# Altium PCB connection_board.PcbDoc
Units mm, origin at the board's own origin, x right, y up, seen from the top; angles counter-clockwise.
Board outline 120 x 110 mm, 2 copper layers (Top Layer, Bottom Layer); 25 components, 82 nets, 232 pads, 10 vias.
Unrouted connection lines stored in the file: 1.
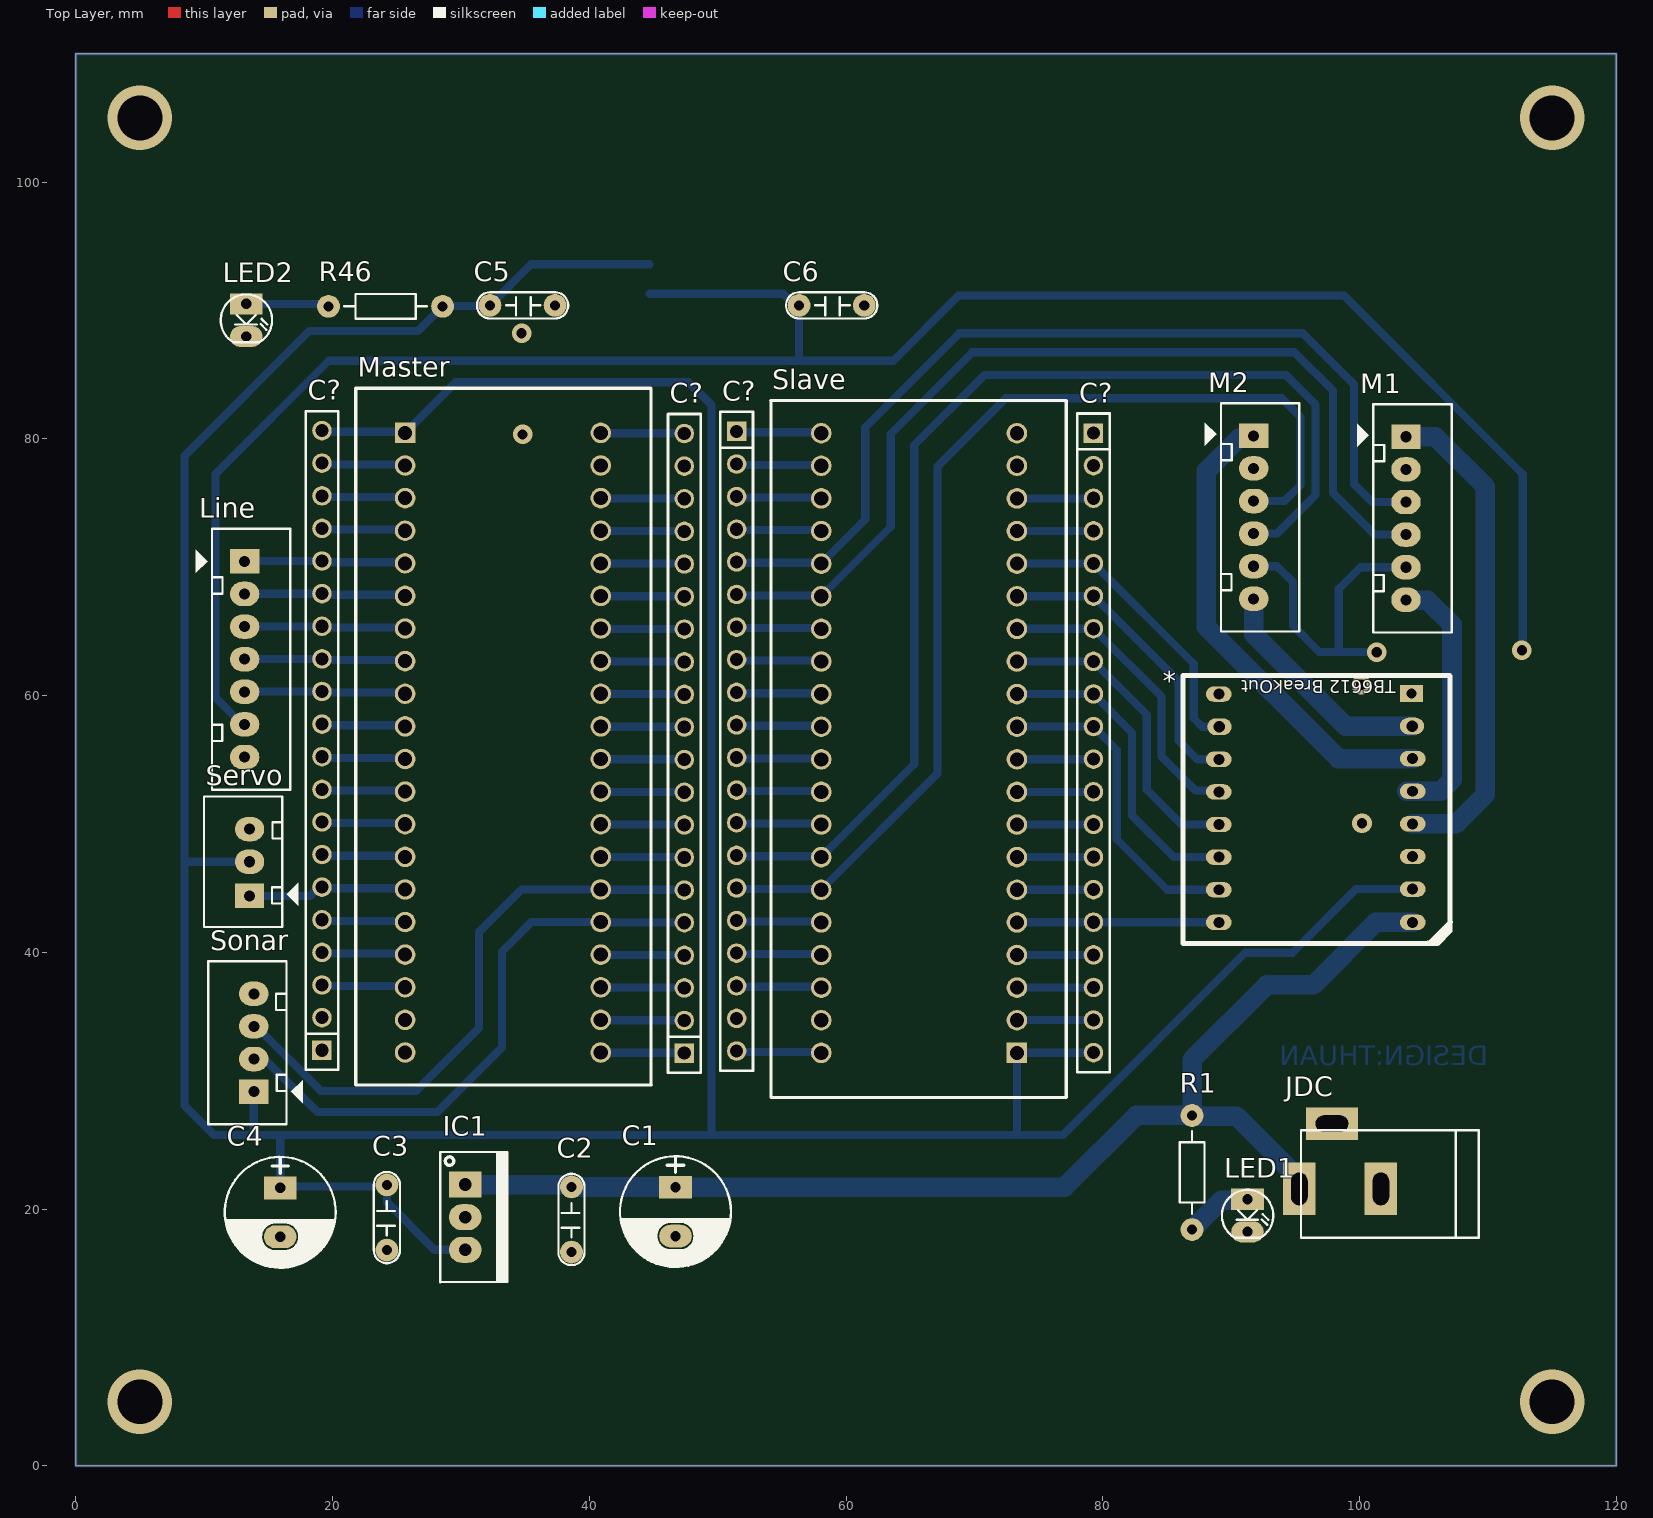
[diagram p0: Top Layer view]
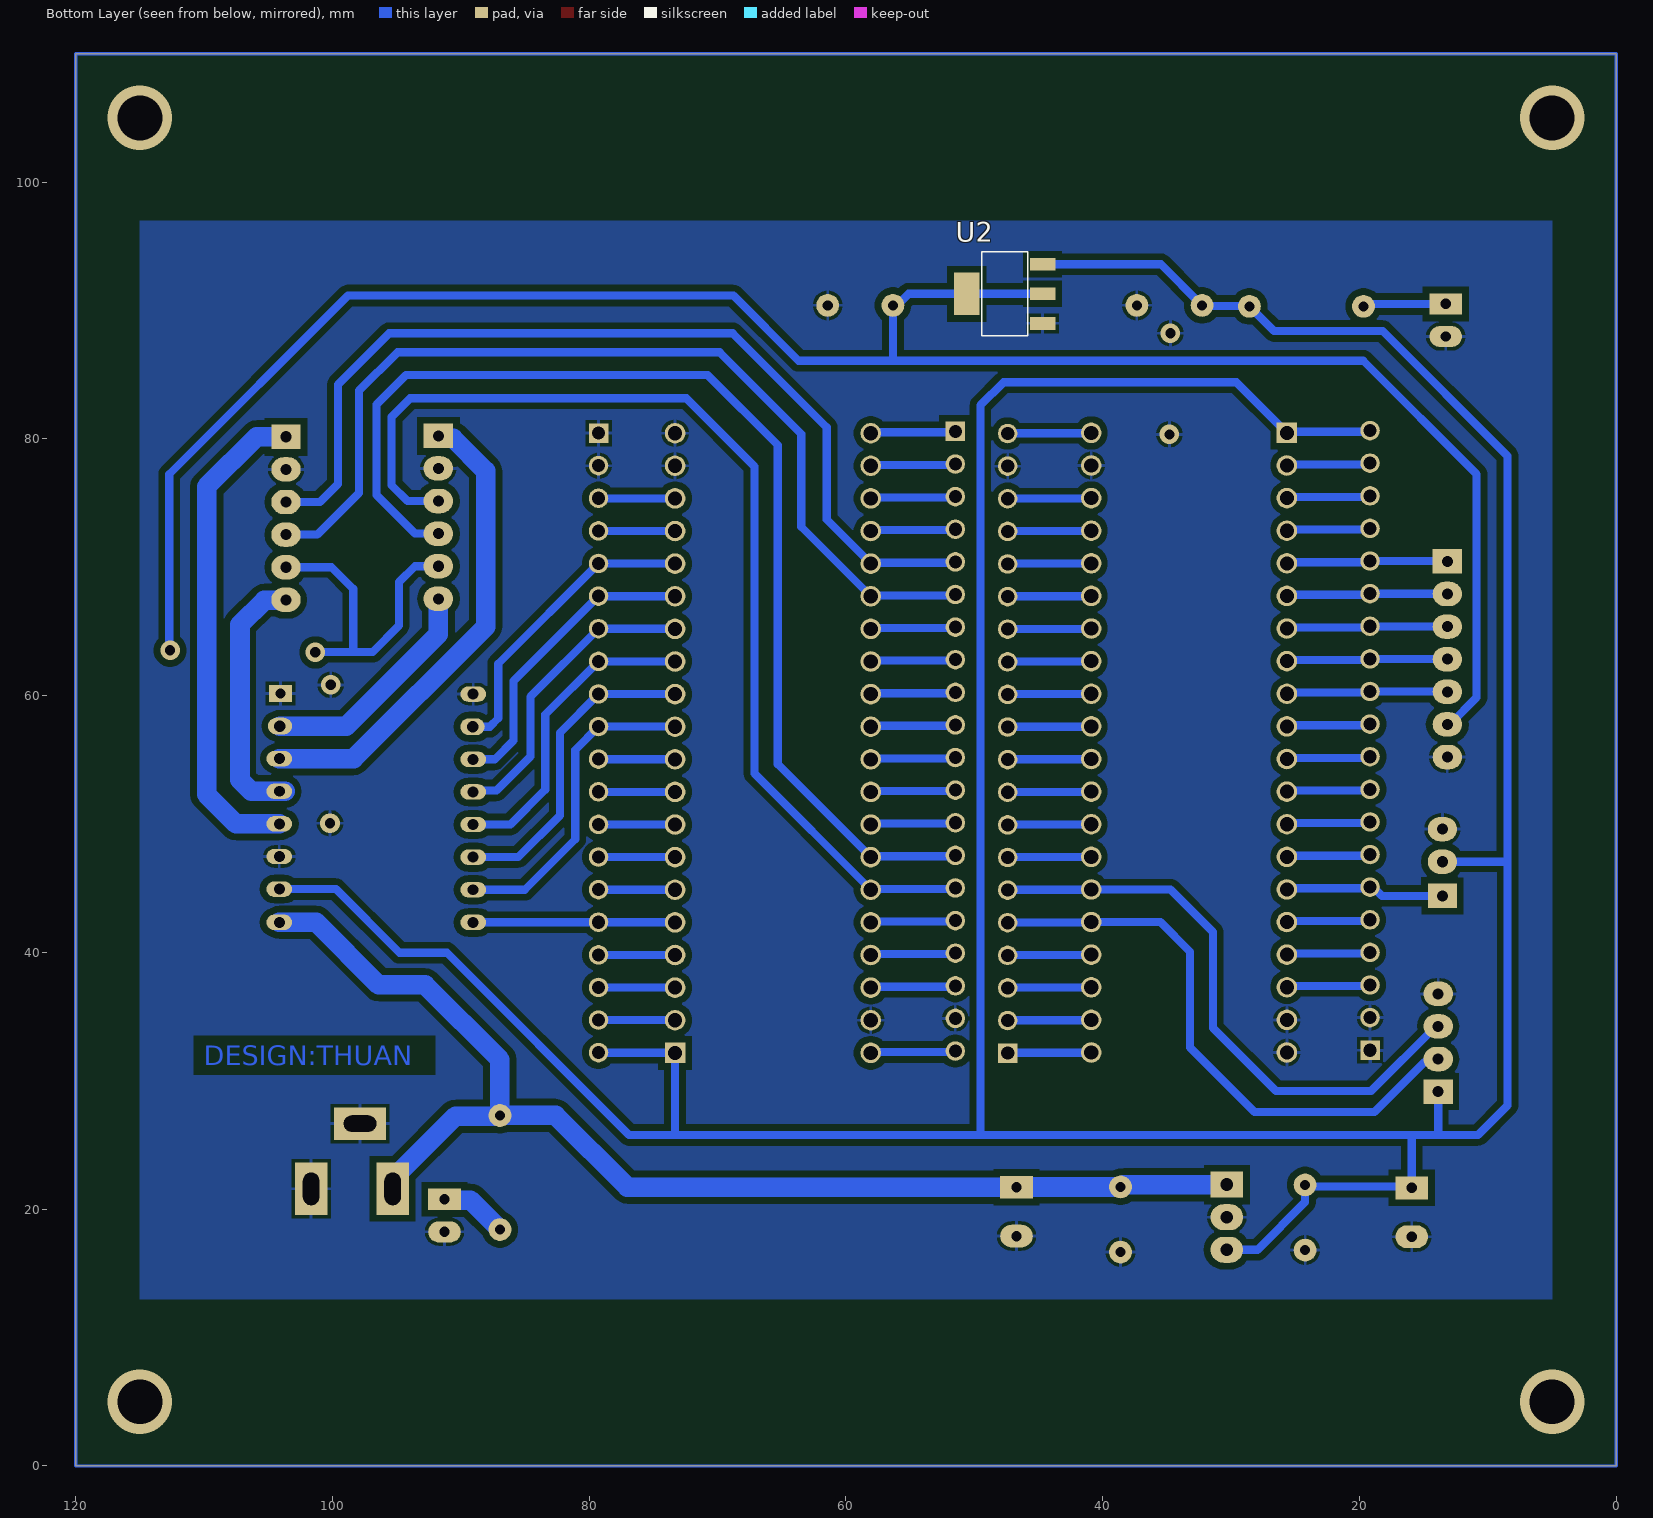
[diagram p1: Bottom Layer view, seen from below]
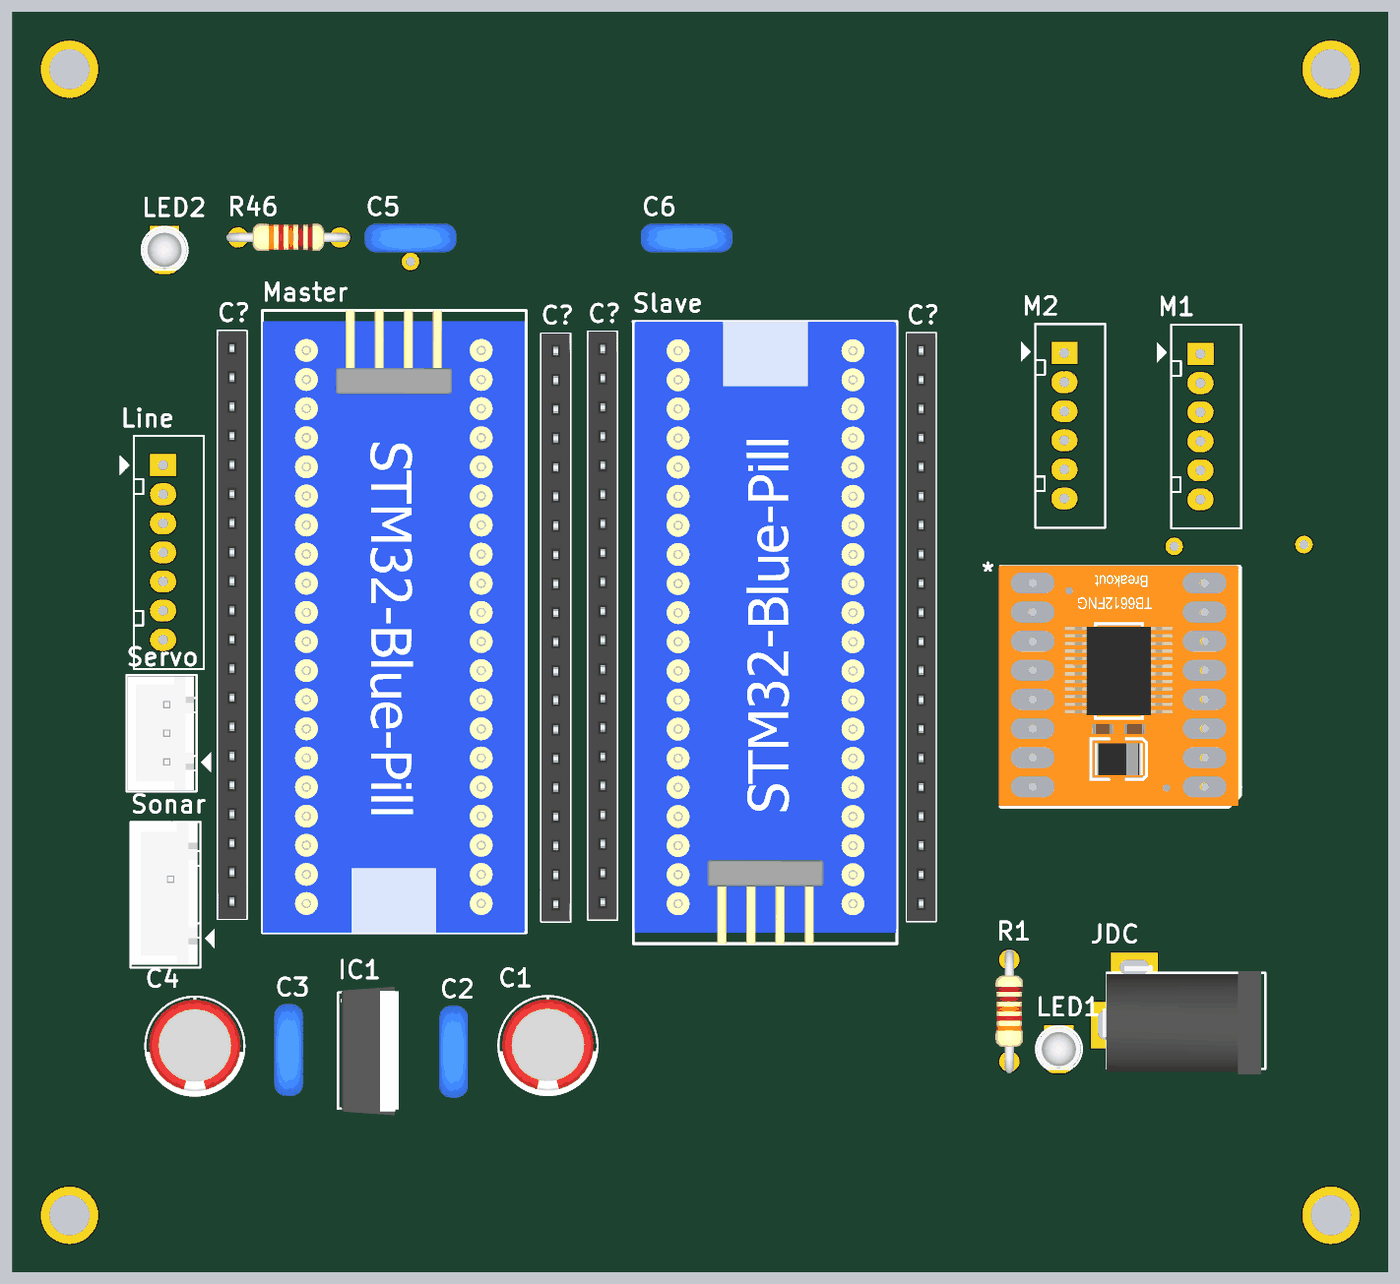
[diagram p2: 3D render of the assembled board from above, using the file's embedded part models]

## Layer stack, top to bottom
Top Solder: solder mask 0.0102, Solder Resist, Dk 3.5
Top Layer: signal copper 0.0356
Dielectric 1: dielectric 0.32, FR-4, Dk 4.8
Bottom Layer: signal copper 0.0356
Bottom Solder: solder mask 0.0102, Solder Resist, Dk 3.5

## Board outline
0,0 120,0 120,110 0,110

## Design rules (kind name [scope] priority, off if disabled: settings)
Clearance [All] p1: gap=0.508 ignorepadtopadclearanceinfootprint=FALSE
PolygonConnect [All] p1: connectstyle=Relief reliefconductorwidth=0.254 reliefentries=4 polygonreliefangle="90 Angle" airgapwidth=0.254
RoutingVias [All] p1: holewidth=0.711 width=1.27 viastyle="Through Hole" minholewidth=0.711 minwidth=1.27 maxholewidth=0.711 maxwidth=1.27
SolderMaskExpansion [All] p1: expansion=0.102 istentingtop=FALSE
Width [All] p1: maxlimit=1.524 minlimit=0.254 preferedwidth=0.635 toplayer_maxwidth=0.254 toplayer_prefwidth=0.254 bottomlayer_minwidth=0.635 minimp=50.000000 maximp=50.000000 favimp=50.000000
30 further rules are at their usual default settings.

## Classes and differential pairs
component class connection_board: * C1 C2 C3 C4 C5 C6 C? IC1 JDC LED1 LED2 Line M1 M2 Master R1 R46 Servo Slave Sonar U2

## Components (designator, comment, footprint, x,y, rotation, side; value= is the part's Value field where it differs from the comment)
* "TB6612" TB6612 105.235,42.438 r180 top
C1 "1000uF/16V" CP1.5/3.4 46.719,21.713 r270 top value=100uF/35V/50V
C2 "104" CN2 38.616,16.659 r90 top value=0.1uF
C3 "104" CN2 24.24,16.811 r90 top value=0.1uF
C4 "1000uF/16V" CP1.5/3.4 15.934,21.662 r270 top value=100uF/35V/50V
C5 "104" CN2 37.346,90.395 r180 top value=0.1uF
C6 "104" CN2 61.426,90.395 r180 top value=0.1uF
C? "JP20" JP20-C1T 47.405,32.153 r90 top
C? "JP20" JP20-C1T 79.274,80.45 r270 top
C? "JP20" JP20-C1T 51.487,80.577 r270 top
C? "JP20" JP20-C1T 19.185,32.381 r90 top
IC1 "LM7805" QTO-220 30.336,21.916 r270 top
JDC "Jac DC" DC-IN 98.484,24.126 r180 top
LED1 "LED" LED-3 91.271,20.773 r270 top value="LED 3 ly Single Colour"
LED2 "LED" LED-3 13.292,90.509 r270 top value="LED 3 ly Single Colour"
Line "JP7" CON7 13.166,70.456 r270 top value="Connector 7"
M1 "JP6" CON6 103.615,80.159 r270 top value="Connector 6"
M2 "JP6" CON6 91.753,80.235 r270 top value="Connector 6"
Master "Bluepill" "Blue Pill" 40.902,80.463 r180 top
R1 "10k" R1/4W 86.953,18.411 r90 top value="R1/4W - 1K"
R46 "Res1" R1/4W 19.693,90.319 r0 top value=220R
Servo "JP3" CON3 13.547,44.522 r90 top value="Connector 3"
Slave "Bluepill" "Blue Pill" 58.073,32.178 r0 top
Sonar "JP4" CON4 13.877,29.155 r90 top value="Connector 4"
U2 "AMS1117_3V3" SOT223-4M 47.887,91.293 r90 bottom

## Footprints (in the part's own frame and the unit in brackets; to place one, negate y for a bottom-side part, rotate by r counter-clockwise, add the part's x,y. Pads: shape width x height; smd on the part's side, far side on the other; paste and mask are expansions set on the pad)
"Blue Pill" [mm]
  round 1.6 hole 1.1: 1(0,48.26) 2(0,45.72) 3(0,43.18) 4(0,40.64) 5(0,38.1) 6(0,35.56) 7(0,33.02) 8(0,30.48) 9(0,27.94) 10(0,25.4) 11(0,22.86) 12(0,20.32) 13(0,17.78) 14(0,15.24) 15(0,12.7) 16(0,10.16) 17(0,7.62) 18(0,5.08) 19(0,2.54) 20(0,0) 22(15.24,2.54) 23(15.24,5.08) 24(15.24,7.62) 25(15.24,10.16) 26(15.24,12.7) 27(15.24,15.24) 28(15.24,17.78) 29(15.24,20.32) 30(15.24,22.86) 31(15.24,25.4) 32(15.24,27.94) 33(15.24,30.48) 34(15.24,33.02) 35(15.24,35.56) 36(15.24,38.1) 37(15.24,40.64) 38(15.24,43.18) 39(15.24,45.72) 40(15.24,48.26)
  rect 1.6x1.6 hole 1.1: 21(15.24,0)
  silkscreen extent -3.94,-3.48 19.08,50.8, body extent -3.81,-3.48 19.05,50.8, height 3.56
CN2 [mil]
  round 70 hole 31: 1(0,0) 2(200,0)
  silkscreen extent -40,-40 240,40, body extent -54,-44 260,55, height 407
CON3 [mil] "CON 3"
  rect 75x90 hole 34: 1(-5,0)
  oval 75x90 hole 34: 2(100,0) 3(200,0)
  silkscreen extent -100,-150 300,140, body extent -95,-90 295,136, height 276
CON4 [mil] "CON4"
  rect 75x90 hole 34: 1(0,0)
  oval 75x90 hole 34: 2(100,0) 3(200,0) 4(300,0)
  silkscreen extent -100,-150 400,140, body extent -90,-90 398,136, height 276
CON6 [mil] "CON6"
  rect 75x90 hole 34: 1(0,0)
  oval 75x90 hole 34: 2(100,0) 3(200,0) 4(300,0) 5(400,0) 6(500,0)
  silkscreen extent -100,-150 600,140
CON7 [mil] "CON7"
  rect 75x90 hole 34: 1(0,0)
  oval 75x90 hole 34: 2(100,0) 3(200,0) 4(300,0) 5(400,0) 6(500,0) 7(600,0)
  silkscreen extent -100,-150 700,140
CP1.5/3.4 [mil] "Tu hoa 220->470uF,16V, 470uF/16V,25V"
  rect 70x100 hole 32: 1(0,0)
  oval 70x100 hole 32: 2(150,0)
  silkscreen extent -95,-170 245,170, body extent -85,-157 230,157, height 446
DC-IN [mil] "Jac DC input"
  rect 100x160 hole 50 slot 100 at 90 deg: 1(125,100) 2(-125,100)
  rect 160x100 hole 50 slot 100 at 0 deg: 3(25,-100)
  silkscreen extent -425,-80 120,250, body extent -410,-105 134,269, height 434
JP20-C1T [mm] "20 row, straight, gold plating"
  rect 1.52x1.52 hole 1.02: 1(0,0)
  round 1.52 hole 1.02: 2(2.54,0) 3(5.08,0) 4(7.62,0) 5(10.16,0) 6(12.7,0) 7(15.24,0) 8(17.78,0) 9(20.32,0) 10(22.86,0) 11(25.4,0) 12(27.94,0) 13(30.48,0) 14(33.02,0) 15(35.56,0) 16(38.1,0) 17(40.64,0) 18(43.18,0) 19(45.72,0) 20(48.26,0)
  silkscreen extent -1.52,-1.27 49.78,1.27, body extent -1.52,-1.25 49.78,1.25, height 8.51
LED-3 [mil] "LED 2 PIN, 3ly Only colour"
  rect 65x100 hole 32: 1(0,0)
  oval 65x100 hole 32: 2(100,0)
  silkscreen extent -29,-78 118,79, body extent -25,-75 113,75, height 217
QTO-220 [mil] "TO-220 - 1-2-3"
  rect 80x100 hole 39: 1(0,0)
  oval 80x100 hole 39: 2(100,0) 3(200,0)
  silkscreen extent -100,-76 300,130, body extent -119,-64 322,121, height 755
R1/4W [mil] "R 1/4W, 2 Pin, 350mil"
  round 70 hole 31: 1(0,0) 2(350,0)
  silkscreen extent 48,-38 302,38, body extent -40,-47 386,47, height 111
SOT223-4M [mm] "SOT223, 4-Leads, Body 6.5x3.5mm, Pitch 2.3mm, Lead Span 7mm, IPC Low Density"
  rect 1x2 smd: 1(-2.3,-3.2) 2(0,-3.2) 3(2.3,-3.2)
  rect 3.3x2 smd: 4(0,2.7)
  silkscreen extent -3.25,-2.05 3.26,1.55, body extent -3.25,-3.74 3.25,3.22, height 1.67
TB6612 [mm]
  oval 2x1.2 hole 0.85: 1(1.1,0.1) 2(1.1,-2.491) 3(1.1,-5.031) 4(1.1,-7.571) 5(1.1,-10.111) 6(1.1,-12.651) 9(16.2,-17.68) 11(16.2,-12.6) 12(16.2,-10.06) 13(16.2,-7.52) 14(16.2,-4.98) 15(16.2,-2.44) 16(16.2,0.1)
  oval 1.9x1.3 hole 0.9: 7(1.15,-15.191) 10(16.15,-15.14)
  rect 1.8x1.3 hole 0.8: 8(1.2,-17.731)
  silkscreen extent -1.83,-19.14 19,1.75, body extent -1.7,-19.28 19.2,1.7, height 3.54

## Part data
C1 C4: library part CP3, "Cap 100uF/35V - 470uF/16V", Description 1="1000uF/6,3V - 470uF/16V - 330uF - 25V", Description 2="220uF/35V - 100uF/50V - 63V - 4,7uF/200V", Description 3="22uF => 33uF100V - 3,3uF => 4,7uF/250V", Description 4="2,2uF =>3,3uF/350 - 2,2uF/400V - 1uF/450V"
C2 C3 C5 C6: library part CN2, "Cap np 104 => 105pF"
C? C? C? C?: "WR-PHD 2.54 mm Angled Socket Header", Manufacturer="W¨¹rth Elektronik eiSos GmbH", partNo=613020143121, ComponentLink1 Description=Manufacturer, ComponentLink1URL=http://www.we-online.com, ComponentLink2 Description=Datasheet, ComponentLink2URL=http://katalog.we-online.de/em/datasheet/6130xx143121.pdf, Created by="Karrer Zheng", Created Date="29 March 2013", NoPins=20
IC1: library part LM78xx, "On ap +, from + 5 to + 24VDC"
JDC: library part DCIN, "Jac DC input"
LED1 LED2: "LED Single colour Green and Red"
Line: library part Con7, "Connector 7"
M1 M2: library part Con6, "Connector 6"
Master Slave: library part STM32F103C8T6, "STM32F103C8T6"
R1: library part R1/4W, "Resistor 1/4W"
R46: library part Res1_4, "Resistor", Manufacturer="Generic Components", Class=Passive, Published=08/06/2000, Publisher="Altium Hobart Technology Centre", SubClass=Resistor
Servo: library part Con3, "Connector 3"
Sonar: library part Con4, "Connector 4"
U2: "1A Regulator"
*: WEB=TECHMT.VN

## Via types
v1: diameter 1.524, hole 0.8, Top Layer to Bottom Layer, 6 vias
v2: diameter 5, hole 3.5, Top Layer to Bottom Layer, 4 vias

## Nets (pads, with @x,y where several pads share a name; then routed paths per layer and width w, separated by ;. In a path a pad name is that pad's centre, name@x,y a point inside that pad or via, vN(x,y) a via of type N, cw(c..) or ccw(c..) an arc to the next point about the centre after c; other vN are vias at no path point)
3V3_input: C6.2 Line.6 M1.5 M2.5 U2.2 U2.4 | length 188.9
  Bottom Layer w0.635: Line.6 12.975,57.756 10.883,59.847 10.883,77.244 19.716,86.077 63.686,86.077 68.773,91.163 98.782,91.163 112.705,77.24 112.705,63.586 v1(112.642,63.523) ; U2.2 U2.4 55.138,91.293 56.036,90.395 C6.2 56.346,86.382 ; M2.5 93.567,70.075 94.805,68.837 94.805,65.452 96.862,63.395 98.332,63.395 ; v1(101.329,63.369) 101.304,63.395 98.332,63.395 ; M1.5 100.059,69.999 98.383,68.322 98.383,63.445 98.332,63.395
5V_input: *.2 C3.2 C4.1 C5.2 C?.20@19.185,80.641 C?.20@79.274,32.19 IC1.3 Master.21 R46.2 Servo.2 Slave.21 Sonar.1 U2.3 | length 329.5
  Bottom Layer w0.635: Servo.2 8.492,47.062 8.467,47.037 ; Sonar.1 13.877,25.828 13.826,25.777 ; 15.934,25.726 C4.1 16.049,21.777 24.126,21.777 C3.2 24.24,20.545 27.948,16.836 IC1.3 ; C?.20@19.185,80.641 19.274,80.552 25.574,80.552 Master.21 29.599,84.4 47.735,84.4 49.517,82.619 49.517,25.777 ; U2.3 35.465,93.593 C5.2 32.228,90.357 28.622,90.357 R46.2 26.653,88.388 18.195,88.388 8.467,78.66 8.467,47.037 ; C?.20@79.274,32.19 79.268,32.184 73.319,32.184 Slave.21 73.313,25.828 73.262,25.777 ; *.2 99.729,44.929 94.769,39.969 91.086,39.969 76.894,25.777 73.262,25.777 ; 8.467,47.037 8.467,28.089 10.778,25.777 13.826,25.777 ; 13.826,25.777 49.517,25.777 ; 49.517,25.777 73.262,25.777
+12V: *.1 C1.1 C2.2 IC1.1 JDC.1 R1.2 | length 96.1
  Bottom Layer w1.524: IC1.1 38.37,21.916 38.548,21.739 C2.2 38.629,21.726 46.706,21.726 C1.1 77.021,21.713 82.609,27.301 R1.2 ; JDC.1 95.309,22.348 90.405,27.253 87.001,27.253 R1.2 ; *.1 101.253,42.338 96.394,37.479 92.787,37.479 86.953,31.645 R1.2
GND: *.3 *.8 *.9 C1.2 C2.1 C3.1 C4.2 C5.1 C6.1 C?.1@19.185,32.381 C?.1@79.274,80.45 C?.2@19.185,34.921 C?.2@79.274,77.91 C?.19@47.405,77.873 C?.19@51.487,34.857 IC1.2 JDC.2 JDC.3 LED1.2 LED2.2 Line.7 M1.2 M2.2 Master.19 Master.39 Master.40 Servo.3 Slave.19 Slave.39 Slave.40 Sonar.4 U2.1
  other v1: 100.19,50.066 100.139,60.836 34.81,80.343 34.734,88.217
M1+: *.4 M1.1 | length 38.4
  Bottom Layer w1.524: M1.1 105.901,80.159 109.791,76.269 109.791,52.301 107.498,50.009 *.4
M1-: *.5 M1.6 | length 20.3
  Bottom Layer w1.524: M1.6 103.651,67.423 105.302,67.423 107.196,65.528 107.196,53.442 106.304,52.549 *.5 *.5@103.695,52.549
M2+: *.6 M2.1 | length 37.3
  Bottom Layer w1.524: M2.1 91.563,80.044 90.603,80.044 88.07,77.512 88.07,65.361 98.342,55.089 *.6
M2-: *.7 M2.6 | length 18
  Bottom Layer w1.524: M2.6 91.753,64.792 98.916,57.629 *.7
NetLED1_1: LED1.1 R1.1 | length 5.3
  Bottom Layer w1.524: R1.1 89.251,20.71 91.207,20.71 LED1.1
NetLED2_1: LED2.1 R46.1 | length 7.2
  Bottom Layer w0.635: LED2.1@12.572,90.509 19.503,90.509 R46.1
U1_3V3_1: C?.20@47.405,80.413 Master.20 | length 6.5
  Bottom Layer w0.635: Master.20 40.928,80.438 47.379,80.438 C?.20@47.405,80.413
U1_3V3_2: C?.3@19.185,37.461 Master.38 | length 6.6
  Bottom Layer w0.635: C?.3@19.185,37.461 19.274,37.372 25.574,37.372 Master.38
U1_5V: C?.18@47.405,75.333 Master.18 | length 6.5
  Bottom Layer w0.635: Master.18 40.928,75.358 47.379,75.358 C?.18@47.405,75.333
U1_NRST: C?.4@19.185,40.001 Master.37 | length 6.6
  Bottom Layer w0.635: C?.4@19.185,40.001 19.274,39.912 25.574,39.912 Master.37
U1_PA0: C?.16@19.185,70.481 Line.1 Master.25 | length 12.6
  Bottom Layer w0.635: Line.1 13.191,70.481 19.185,70.481 19.274,70.392 25.574,70.392 Master.25
U1_PA1: C?.15@19.185,67.941 Line.2 Master.26 | length 12.6
  Bottom Layer w0.635: Line.2 13.178,67.928 19.173,67.928 19.185,67.941 19.274,67.852 25.574,67.852 Master.26
U1_PA2: C?.14@19.185,65.401 Line.3 Master.27 | length 12.6
  Bottom Layer w0.635: Line.3 13.178,65.388 19.173,65.388 19.185,65.401 19.274,65.312 25.574,65.312 Master.27
U1_PA3: C?.13@19.185,62.861 Line.4 Master.28 | length 12.6
  Bottom Layer w0.635: Line.4 13.178,62.848 19.173,62.848 19.185,62.861 19.274,62.772 25.574,62.772 Master.28
U1_PA4: C?.12@19.185,60.321 Line.5 Master.29 | length 12.6
  Bottom Layer w0.635: Line.5 13.178,60.308 19.173,60.308 19.185,60.321 19.274,60.232 25.574,60.232 Master.29
U1_PA5: C?.11@19.185,57.781 Master.30 | length 6.6
  Bottom Layer w0.635: C?.11@19.185,57.781 19.274,57.692 25.574,57.692 Master.30
U1_PA6: C?.10@19.185,55.241 Master.31 | length 6.6
  Bottom Layer w0.635: C?.10@19.185,55.241 19.274,55.152 25.574,55.152 Master.31
U1_PA7: C?.9@19.185,52.701 Master.32 | length 6.6
  Bottom Layer w0.635: C?.9@19.185,52.701 19.274,52.612 25.574,52.612 Master.32
U1_PA8: C?.5@47.405,42.313 Master.5 Sonar.2 | length 45.8
  Bottom Layer w0.635: Sonar.2 14.12,31.452 14.943,31.452 18.832,27.563 28.185,27.563 33.206,32.584 33.206,40.052 35.518,42.363 Master.5 40.928,42.338 47.379,42.338 C?.5@47.405,42.313
U1_PA9: C?.6@47.405,44.853 Master.6 Sonar.3 | length 46.5
  Bottom Layer w0.635: Sonar.3 14.067,34.235 19.097,29.206 26.501,29.206 31.403,34.108 31.403,41.576 34.73,44.903 Master.6 40.928,44.878 47.379,44.878 C?.6@47.405,44.853
U1_PA10: C?.7@47.405,47.393 Master.7 | length 6.5
  Bottom Layer w0.635: Master.7 40.928,47.418 47.379,47.418 C?.7@47.405,47.393
U1_PA11: C?.8@47.405,49.933 Master.8 | length 6.5
  Bottom Layer w0.635: Master.8 40.928,49.958 47.379,49.958 C?.8@47.405,49.933
U1_PA12: C?.9@47.405,52.473 Master.9 | length 6.5
  Bottom Layer w0.635: Master.9 40.928,52.498 47.379,52.498 C?.9@47.405,52.473
U1_PA15: C?.10@47.405,55.013 Master.10 | length 6.5
  Bottom Layer w0.635: Master.10 40.928,55.038 47.379,55.038 C?.10@47.405,55.013
U1_PB0: C?.8@19.185,50.161 Master.33 | length 6.6
  Bottom Layer w0.635: C?.8@19.185,50.161 19.274,50.072 25.574,50.072 Master.33
U1_PB1: C?.7@19.185,47.621 Master.34 | length 6.6
  Bottom Layer w0.635: C?.7@19.185,47.621 19.274,47.532 25.574,47.532 Master.34
U1_PB3: C?.11@47.405,57.553 Master.11 | length 6.5
  Bottom Layer w0.635: Master.11 40.928,57.578 47.379,57.578 C?.11@47.405,57.553
U1_PB4: C?.12@47.405,60.093 Master.12 | length 6.5
  Bottom Layer w0.635: Master.12 40.928,60.118 47.379,60.118 C?.12@47.405,60.093
U1_PB5: C?.13@47.405,62.633 Master.13 | length 6.5
  Bottom Layer w0.635: Master.13 40.928,62.658 47.379,62.658 C?.13@47.405,62.633
U1_PB6: C?.14@47.405,65.173 Master.14 | length 6.5
  Bottom Layer w0.635: Master.14 40.928,65.198 47.379,65.198 C?.14@47.405,65.173
U1_PB7: C?.15@47.405,67.713 Master.15 | length 6.5
  Bottom Layer w0.635: Master.15 40.928,67.738 47.379,67.738 C?.15@47.405,67.713
U1_PB8: C?.16@47.405,70.253 Master.16 | length 6.5
  Bottom Layer w0.635: Master.16 40.928,70.278 47.379,70.278 C?.16@47.405,70.253
U1_PB9: C?.17@47.405,72.793 Master.17 | length 6.5
  Bottom Layer w0.635: Master.17 40.928,72.818 47.379,72.818 C?.17@47.405,72.793
U1_PB10: C?.6@19.185,45.081 Master.35 Servo.1 | length 12.5
  Bottom Layer w0.635: Servo.1 18.26,44.395 18.946,45.081 19.185,45.081 19.274,44.992 25.574,44.992 Master.35
U1_PB11: C?.5@19.185,42.541 Master.36 | length 6.6
  Bottom Layer w0.635: C?.5@19.185,42.541 19.274,42.452 25.574,42.452 Master.36
U1_PB12: C?.1@47.405,32.153 Master.1 | length 6.5
  Bottom Layer w0.635: Master.1 40.928,32.178 47.379,32.178 C?.1@47.405,32.153
U1_PB13: C?.2@47.405,34.693 Master.2 | length 6.5
  Bottom Layer w0.635: Master.2 40.928,34.718 47.379,34.718 C?.2@47.405,34.693
U1_PB14: C?.3@47.405,37.233 Master.3 | length 6.5
  Bottom Layer w0.635: Master.3 40.928,37.258 47.379,37.258 C?.3@47.405,37.233
U1_PB15: C?.4@47.405,39.773 Master.4 | length 6.5
  Bottom Layer w0.635: Master.4 40.928,39.798 47.379,39.798 C?.4@47.405,39.773
U1_PC13: C?.19@19.185,78.101 Master.22 | length 6.6
  Bottom Layer w0.635: C?.19@19.185,78.101 19.274,78.012 25.574,78.012 Master.22
U1_PC14: C?.18@19.185,75.561 Master.23 | length 6.6
  Bottom Layer w0.635: C?.18@19.185,75.561 19.274,75.472 25.574,75.472 Master.23
U1_PC15: C?.17@19.185,73.021 Master.24 | length 6.6
  Bottom Layer w0.635: C?.17@19.185,73.021 19.274,72.932 25.574,72.932 Master.24
U2_3V3_1: C?.20@51.487,32.317 Slave.20 | length 6.6
  Bottom Layer w0.635: C?.20@51.487,32.317 51.556,32.248 58.003,32.248 Slave.20
U2_3V3_2: C?.3@79.274,75.37 Slave.38 | length 6
  Bottom Layer w0.635: Slave.38 73.319,75.364 79.268,75.364 C?.3@79.274,75.37
U2_5V: C?.18@51.487,37.397 Slave.18 | length 6.6
  Bottom Layer w0.635: C?.18@51.487,37.397 51.556,37.328 58.003,37.328 Slave.18
U2_NRST: C?.4@79.274,72.83 Slave.37 | length 6
  Bottom Layer w0.635: Slave.37 73.319,72.824 79.268,72.824 C?.4@79.274,72.83
U2_PA0: *.16 C?.16@79.274,42.35 Slave.25 | length 15.7
  Bottom Layer w0.635: Slave.25 73.319,42.344 79.268,42.344 79.274,42.35 79.28,42.344 89.029,42.344 *.16
U2_PA1: C?.15@79.274,44.89 Slave.26 | length 6
  Bottom Layer w0.635: Slave.26 73.319,44.884 79.268,44.884 C?.15@79.274,44.89
U2_PA2: C?.14@79.274,47.43 Slave.27 | length 6
  Bottom Layer w0.635: Slave.27 73.319,47.424 79.268,47.424 C?.14@79.274,47.43
U2_PA3: C?.13@79.274,49.97 Slave.28 | length 6
  Bottom Layer w0.635: Slave.28 73.319,49.964 79.268,49.964 C?.13@79.274,49.97
U2_PA4: C?.12@79.274,52.51 Slave.29 | length 6
  Bottom Layer w0.635: Slave.29 73.319,52.504 79.268,52.504 C?.12@79.274,52.51
U2_PA5: C?.11@79.274,55.05 Slave.30 | length 6
  Bottom Layer w0.635: Slave.30 73.319,55.044 79.268,55.044 C?.11@79.274,55.05
U2_PA6: *.15 C?.10@79.274,57.59 Slave.31 | length 25.1
  Bottom Layer w0.635: Slave.31 73.319,57.584 79.268,57.584 79.274,57.59 81.089,55.776 81.089,48.811 85.022,44.878 *.15
U2_PA7: *.14 C?.9@79.274,60.13 Slave.32 | length 24.8
  Bottom Layer w0.635: Slave.32 73.319,60.124 79.268,60.124 79.274,60.13 79.274,60.113 82.283,57.104 82.283,50.665 85.53,47.418 *.14
U2_PA8: C?.5@51.487,70.417 M1.3 Slave.5 | length 73.8
  Bottom Layer w0.635: C?.5@51.487,70.417 51.556,70.348 58.003,70.348 Slave.5 61.502,73.707 61.502,80.895 68.824,88.217 95.592,88.217 99.576,84.233 99.576,76.476 100.973,75.079 M1.3
U2_PA9: C?.6@51.487,67.877 M1.4 Slave.6 | length 74.8
  Bottom Layer w0.635: C?.6@51.487,67.877 51.556,67.808 58.003,67.808 Slave.6 63.483,73.148 63.483,80.387 69.833,86.737 94.939,86.737 97.925,83.75 97.925,75.79 99.417,74.298 101.177,72.539 M1.4
U2_PA10: C?.7@51.487,65.337 Slave.7 | length 6.6
  Bottom Layer w0.635: C?.7@51.487,65.337 51.556,65.268 58.003,65.268 Slave.7
U2_PA11: C?.8@51.487,62.797 Slave.8 | length 6.6
  Bottom Layer w0.635: C?.8@51.487,62.797 51.556,62.728 58.003,62.728 Slave.8
U2_PA12: C?.9@51.487,60.257 Slave.9 | length 6.6
  Bottom Layer w0.635: C?.9@51.487,60.257 51.556,60.188 58.003,60.188 Slave.9
U2_PA15: C?.10@51.487,57.717 Slave.10 | length 6.6
  Bottom Layer w0.635: C?.10@51.487,57.717 51.556,57.648 58.003,57.648 Slave.10
U2_PB0: *.13 C?.8@79.274,62.67 Slave.33 | length 24.4
  Bottom Layer w0.635: Slave.33 73.319,62.664 79.268,62.664 79.274,62.67 83.426,58.519 83.426,52.672 86.14,49.958 *.13
U2_PB1: *.12 C?.7@79.274,65.21 Slave.34 | length 23.7
  Bottom Layer w0.635: Slave.34 73.319,65.204 79.268,65.204 79.274,65.21 84.569,59.916 84.569,55.263 87.225,52.606 88.927,52.606 *.12
U2_PB3: C?.11@51.487,55.177 Slave.11 | length 6.6
  Bottom Layer w0.635: C?.11@51.487,55.177 51.556,55.108 58.003,55.108 Slave.11
U2_PB4: C?.12@51.487,52.637 Slave.12 | length 6.6
  Bottom Layer w0.635: C?.12@51.487,52.637 51.556,52.568 58.003,52.568 Slave.12
U2_PB5: C?.13@51.487,50.097 Slave.13 | length 6.6
  Bottom Layer w0.635: C?.13@51.487,50.097 51.556,50.028 58.003,50.028 Slave.13
U2_PB6: C?.14@51.487,47.557 M2.4 Slave.14 | length 89.3
  Bottom Layer w0.635: C?.14@51.487,47.557 51.556,47.488 58.003,47.488 Slave.14 65.312,54.657 65.312,79.498 70.773,84.959 94.278,84.959 96.558,82.68 96.558,75.616 93.557,72.615 M2.4
U2_PB7: C?.15@51.487,45.017 M2.3 Slave.15 | length 83.9
  Bottom Layer w0.635: C?.15@51.487,45.017 51.556,44.948 58.003,44.948 Slave.15 67.115,53.92 67.115,77.847 72.424,83.156 93.948,83.156 95.389,81.715 95.389,76.381 94.163,75.155 M2.3
U2_PB8: C?.16@51.487,42.477 Slave.16 | length 6.6
  Bottom Layer w0.635: C?.16@51.487,42.477 51.556,42.408 58.003,42.408 Slave.16
U2_PB9: C?.17@51.487,39.937 Slave.17 | length 6.6
  Bottom Layer w0.635: C?.17@51.487,39.937 51.556,39.868 58.003,39.868 Slave.17
U2_PB10: *.11 C?.6@79.274,67.75 Slave.35 | length 23.7
  Bottom Layer w0.635: Slave.35 73.319,67.744 79.268,67.744 79.274,67.75 85.886,61.139 85.886,56.511 87.359,55.038 *.11
U2_PB11: *.10 C?.5@79.274,70.29 Slave.36 | length 23.5
  Bottom Layer w0.635: Slave.36 73.319,70.284 79.268,70.284 79.274,70.29 87.083,62.481 87.083,58.235 87.74,57.578 *.10
U2_PB12: C?.1@51.487,80.577 Slave.1 | length 6.6
  Bottom Layer w0.635: C?.1@51.487,80.577 51.556,80.508 58.003,80.508 Slave.1
U2_PB13: C?.2@51.487,78.037 Slave.2 | length 6.6
  Bottom Layer w0.635: C?.2@51.487,78.037 51.556,77.968 58.003,77.968 Slave.2
U2_PB14: C?.3@51.487,75.497 Slave.3 | length 6.6
  Bottom Layer w0.635: C?.3@51.487,75.497 51.556,75.428 58.003,75.428 Slave.3
U2_PB15: C?.4@51.487,72.957 Slave.4 | length 6.6
  Bottom Layer w0.635: C?.4@51.487,72.957 51.556,72.888 58.003,72.888 Slave.4
U2_PC13: C?.19@79.274,34.73 Slave.22 | length 6
  Bottom Layer w0.635: Slave.22 73.319,34.724 79.268,34.724 C?.19@79.274,34.73
U2_PC14: C?.18@79.274,37.27 Slave.23 | length 6
  Bottom Layer w0.635: Slave.23 73.319,37.264 79.268,37.264 C?.18@79.274,37.27
U2_PC15: C?.17@79.274,39.81 Slave.24 | length 6
  Bottom Layer w0.635: Slave.24 73.319,39.804 79.268,39.804 C?.17@79.274,39.81
copper on no net: | length 460
  Bottom Layer w0.254: 0,0 120,0 120,110 0,110 0,0
  other v2: 5,5 115,5 5,105 115,105

## Polygon pours and split planes (outlines as drawn)
GND on Bottom Layer "GND" (solid, remove dead copper, pour order 0): 115,13 115,97 5,97 5,13

## Other copper
Bottom Layer:
  text "DESIGN:THUAN" at 110.038,31.223 h1.52

## Text inside footprints (layer, text, board x,y; h text height)
*: Top Overlay "TB6612 BreakOut" at 102.835,61.538 h1.7 r180